# Altium PCB wikiduino-atmega328p.PcbDoc
Units mil, origin at the board's own origin, x right, y up, seen from the top; angles counter-clockwise.
Board outline 2700 x 2100 mil, 2 copper layers (Top Layer, Bottom Layer); 58 components, 50 nets, 230 pads, 295 vias.
Unrouted connection lines stored in the file: 224.
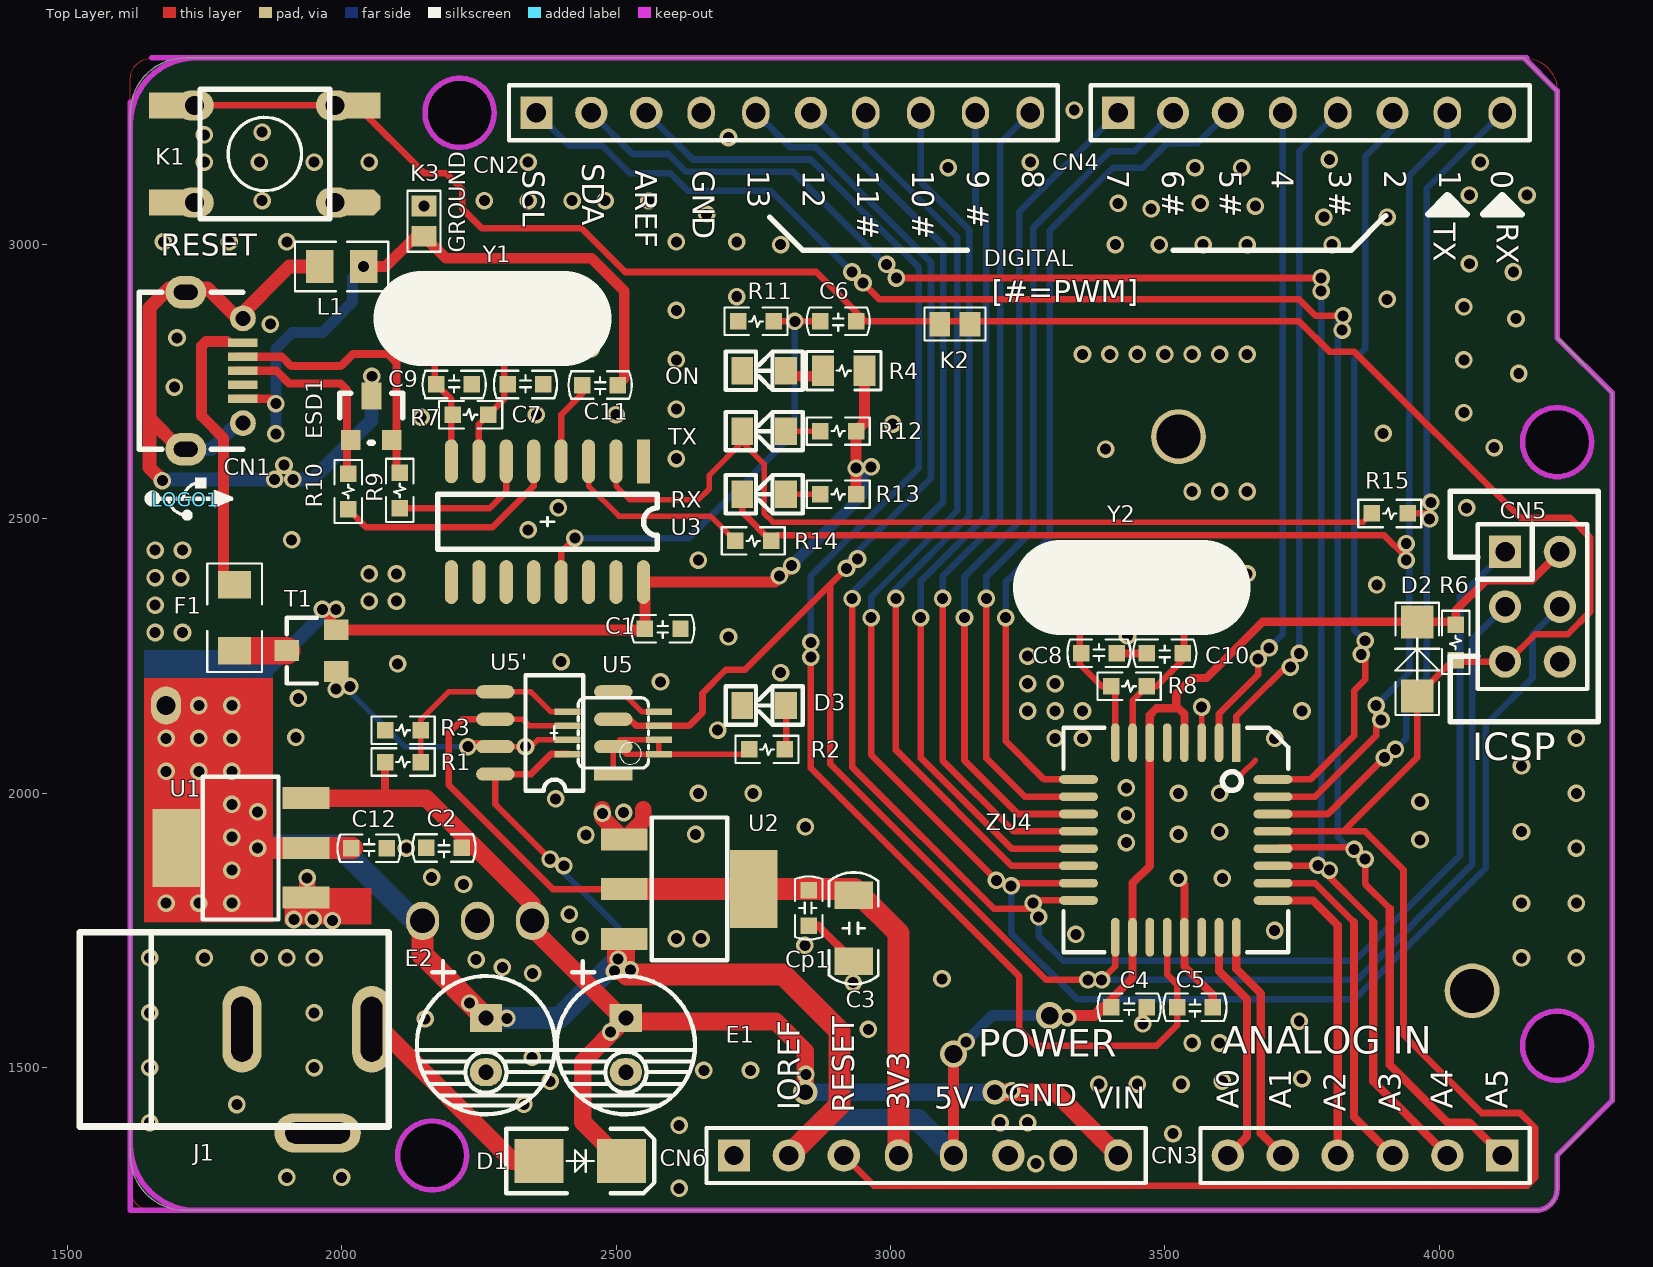
[diagram p0: Top Layer view]
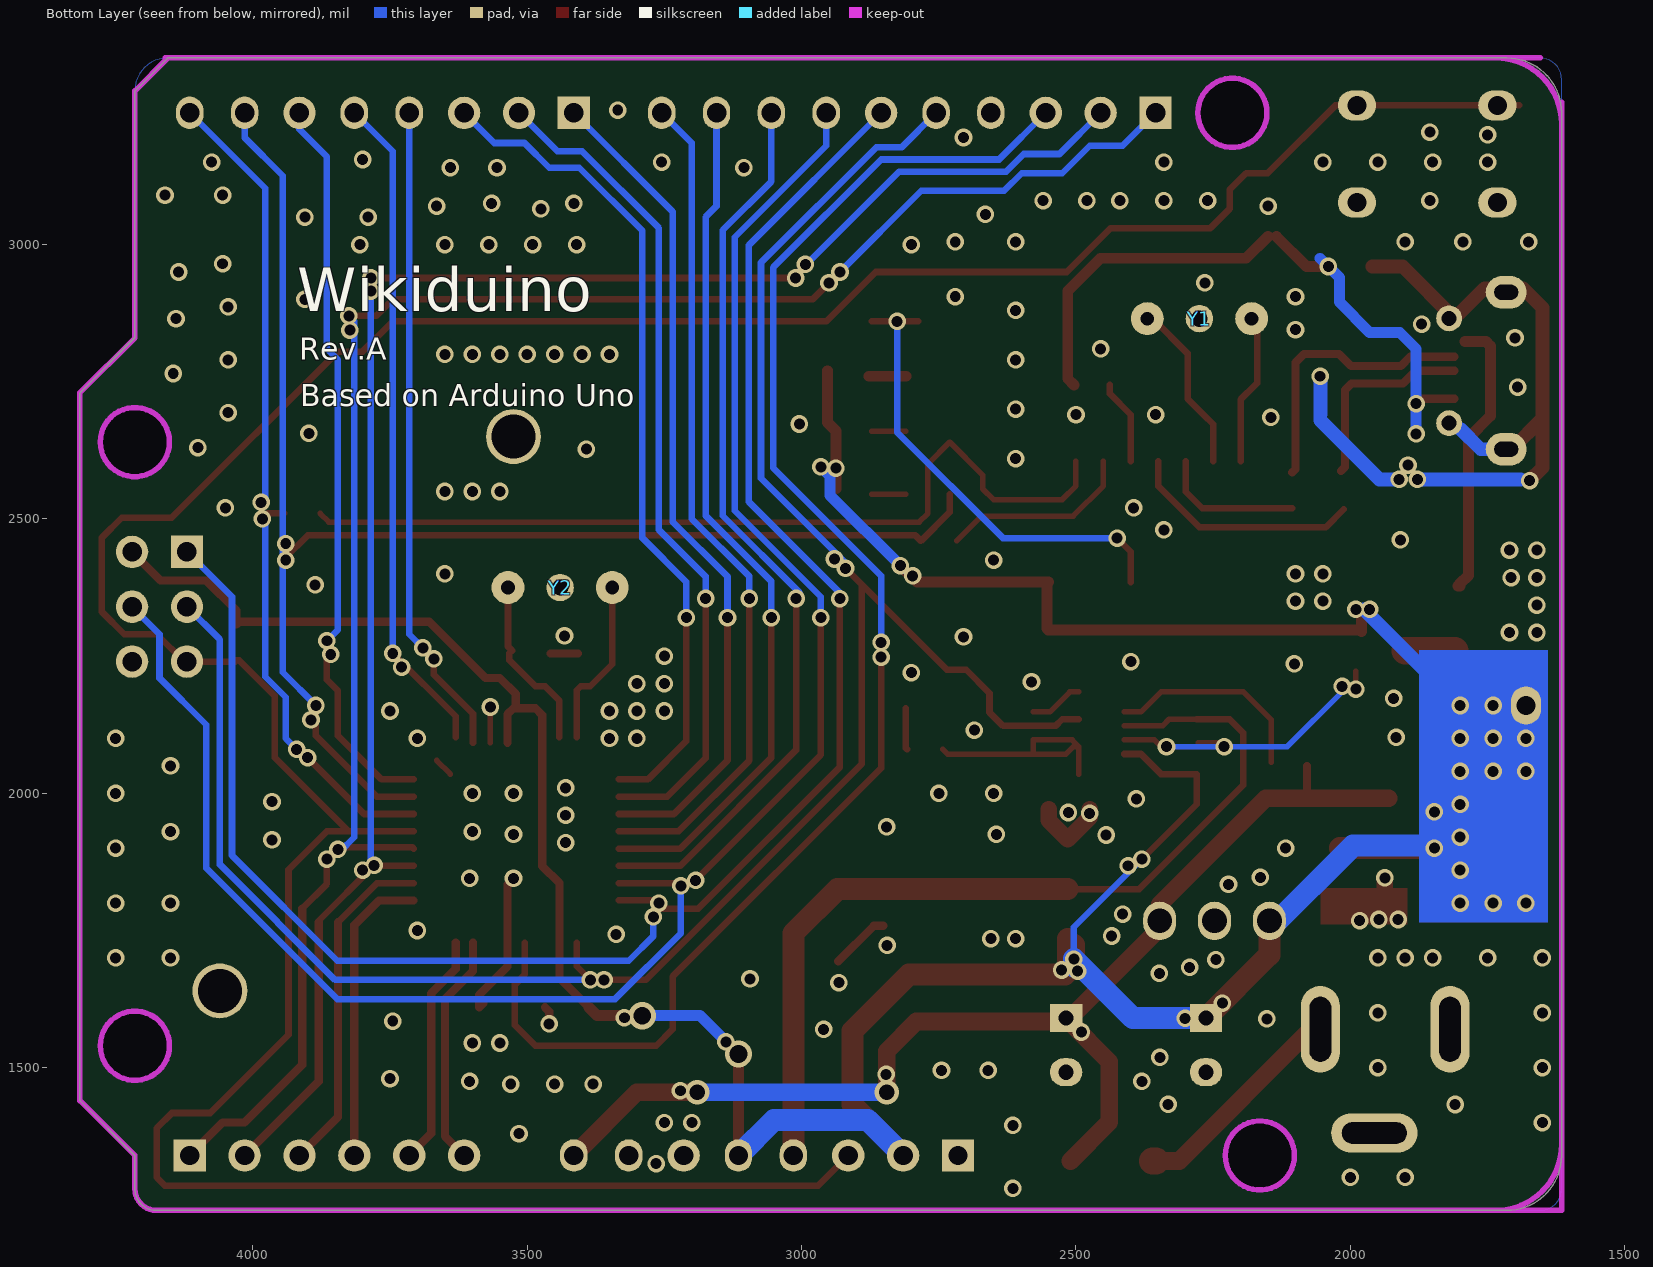
[diagram p1: Bottom Layer view, seen from below]

## Layer stack, top to bottom
Top Solder: solder mask 0.4, Solder Resist, Dk 3.5
Top Layer: signal copper 1.4
Dielectric1: dielectric 12.6, FR-4, Dk 4.8
Bottom Layer: signal copper 1.4
Bottom Solder: solder mask 0.4, Solder Resist, Dk 3.5

## Board outline
1615,3220 1615,3240 cw(c1715,3240) 1715,3340 1721,3340 4155,3340 4215,3280 4215,2830 4315,2730 4315,1440 4215,1340 4215,1279.37 cw(c4175.63,1279.37) 4175.63,1240 4171,1240 1715,1240 cw(c1715,1340) 1615,1340 1615,1399 1615,3220
cut-out: 2277.99,3237.99 cw(c2215,3237.99) 2215,3175 cw(c2215,3240) 2150,3240 2150,3245 cw(c2210,3245) 2210,3305 2215,3305 cw(c2215,3242.01) 2277.99,3242.01
cut-out: 4277.99,2637.99 cw(c4215,2637.99) 4215,2575 cw(c4215,2640) 4150,2640 4150,2645 cw(c4210,2645) 4210,2705 4215,2705 cw(c4215,2642.01) 4277.99,2642.01
cut-out: 4277.99,1537.99 cw(c4215,1537.99) 4215,1475 cw(c4215,1540) 4150,1540 4150,1545 cw(c4210,1545) 4210,1605 4215,1605 cw(c4215,1542.01) 4277.99,1542.01
cut-out: 2227.99,1337.99 cw(c2165,1337.99) 2165,1275 cw(c2165,1340) 2100,1340 2100,1345 cw(c2160,1345) 2160,1405 2165,1405 cw(c2165,1342.01) 2227.99,1342.01

## Design rules (kind name [scope] priority, off if disabled: settings)
Clearance [INPOLY] p1: gap=15
Clearance Clearance_3 [INPOLY vs ISpad] p2: gap=14
Clearance Clearance_2 [inpoly vs isvia] p3: gap=12
Clearance Clearance_1 [All] p4: gap=10
PolygonConnect [isvia] p1: connectstyle=Direct reliefconductorwidth=10 reliefentries=4 polygonreliefangle="90 Angle" airgapwidth=10
PolygonConnect PolygonConnect_2 [InNet('GND')] p2: connectstyle=Relief reliefconductorwidth=10 reliefentries=4 polygonreliefangle="90 Angle" airgapwidth=10
PolygonConnect PolygonConnect_1 [All] p3: connectstyle=Direct reliefconductorwidth=10 reliefentries=4 polygonreliefangle="90 Angle" airgapwidth=10
RoomDefinition wikiduino-atmega328p [InComponentClass('wikiduino-atmega328p')] p1: confinementstyle=ConfineIn formatcopy=TRUE lockcomponents=FALSE outline 1490,1230 4315,1230 4315,3345 1490,3345
RoutingVias [All] p1: holewidth=28 width=32 viastyle="Through Hole" minholewidth=20 minwidth=28 maxholewidth=50 maxwidth=70
SolderMaskExpansion [All] p1: expansion=4
Width [All] p1: maxlimit=100 minlimit=10 preferedwidth=10
29 further rules are at their usual default settings.

## Components (designator, comment, footprint, x,y, rotation, side; value= is the part's Value field where it differs from the comment)
C1 "C1608X7R1H104KT000N（0603 0.1μF）" 0603C 2585,2300 r0 top
C2 "C1608X7R1H104KT000N（0603 0.1μF）" 0603C 2186.5,1900.37 r0 top
C3 "10μF" 1206C 2933,1754 r90 top
C4 "0.1μF" 0603C 3435,1610 r180 top
C5 "0.1μF" 0603C 3555,1610 r0 top
C6 "0.1μF" 0603C 2905,2860 r0 top
C7 "CC0603JRNP09BN270" 0603C 2335,2745 r180 top
C8 "CC0603JRNP09BN270" 0603C 3380,2255 r180 top
C9 "CC0603JRNP09BN270" 0603C 2205,2745 r180 top
C10 "CC0603JRNP09BN270" 0603C 3500,2255 r0 top
C11 "0.01μF" 0603C 2471,2744 r0 top
C12 "0.1μF" 0603C 2050,1900 r180 top
CN1 "USB-Micro" USB_MICRO_5S_B 1820,2770 r90 top
CN2 "IOH" HDR1X10Z 2355,3240 r0 top (schematic designator IOH)
CN3 "ANALOG IN" HDR1X6Z 4115,1340 r180 top (schematic designator "ANALOG IN")
CN4 "IOL" HDR1X8Z 3415,3240 r0 top locked (schematic designator IOL)
CN5 "ICSP" HDR2X3 4120,2440 r270 top (schematic designator ICSP)
CN6 "POWER" HDR1X8Z 2715,1340 r0 top (schematic designator POWER)
Cp1 "C1608X7R1H104KT000N（0603 0.1μF）" 0603C 2851,1791 r270 top
D1 "M7" M7 2435,1330 r0 top
D2 "LL4148" D1206 3960,2245 r90 top
D3 "BL-HRB35A-TRB (0805 黄色)" LED0805-Y 2770,2160 r180 top
E1 "50YXF47M（6.3×11×2.5）" "RB 6.3×11×2.5" 2518,1541 r270 top
E2 "25YXF47M（5×11×2.0）" "RB 6.3×11×2.5" 2263,1541 r270 top
ESD1 "PESD5V0L2BT" SOT-23 2054,2684 r0 top
F1 "MF-MSMF050-2 500mA" L1206 1805,2320 r90 top
J1 "DC WD-DCPJ-S3RYB2-N-055" DC_IN 1818.41,1570 r90 top (schematic designator X1)
K1 "SW-PB" 按钮/SO 1860,3165 r0 top locked (schematic designator RESET)
K2 "RESET-EN" 0101 3090,2855 r0 top (schematic designator RESET-EN)
K3 "GROUND" 0101 2150,3015 r90 top (schematic designator GROUND)
L1 "PBY201209T-601Y-N 0805" L0805 2000,2960 r0 top
LOGO1 "LOGO" USB_LOGO 1715,2535 r270 top
ON "BL-HGE35A-TRB（0805 绿色）" LED0805-R 2770,2770 r180 top
R1 "RC0603FR-0712KL" 0603R 2112,2057 r0 top
R2 "RC0603JR-073K6L" 0603R 2775,2080 r0 top
R3 "RC0603FR-0712KL" 0603R 2112,2115 r180 top
R4 "RC0805JR-072K2L" 0805/R 2915,2770 r0 top
R6 "RC0603FR-0712KL" 0603R 4030,2275 r270 top
R7 "1MΩ" 0603R 2235,2690 r180 top
R8 "1MΩ" 0603R 3435,2195 r0 top
R9 "RC0603JR-0730RL" 0603R 2106,2552 r90 top
R10 "RC0603JR-0730RL" 0603R 2012,2550 r90 top
R11 "RC0603FR-0712KL" 0603R 2755,2860 r180 top
R12 "RC0603JR-073K6L" 0603R 2905,2660 r180 top
R13 "RC0603JR-073K6L" 0603R 2905,2545 r180 top
R14 "RC0603JR-07910RL" 0603R 2750,2460 r180 top
R15 "RC0603JR-07910RL" 0603R 3910,2510 r180 top
RX "BL-HRB35A-TRB (0805 黄色)" LED0805-Y 2770,2545 r180 top
T1 "IRLML6402TRPBF" MOSFET 1945,2260 r90 top
TX "BL-HRB35A-TRB (0805 黄色)" LED0805-Y 2770,2660 r180 top
U1 "LM1117-5.0" SOT223 1935,1810 r90 top
U2 "LM1117MPX-3.3" SOT223 2515,1916 r270 top
U3 "CH340G SOP16" SO-16 2375,2495 r270 top
U5 "LMV358IDGKR-MSOP8-0.65" MSOP8-0.65 2495,2110 r180 top
U5' "LMV358IDGKR-MSOP8-0.65" so-8 2495,2035 r180 top
Y1 "12MHz-49S" XTAL-49S 2275,2865 r180 top
Y2 "16MHz-49S" XTAL-49S 3440,2375 r0 top
ZU4 "ATMEGA328P_32LQFP" LQFP32 3520,1915 r270 top

## Footprints (in the part's own frame and the unit in brackets; to place one, negate y for a bottom-side part, rotate by r counter-clockwise, add the part's x,y. Pads: shape width x height; smd on the part's side, far side on the other; paste and mask are expansions set on the pad)
0101 [mil]
  rect 38x45 smd: 1(0,0) 2(55,0)
  silkscreen extent -28,-30 83,30
0603C [mil]
  rect 30x30 smd: 1(-32.5,0) 2(32.5,0)
  silkscreen extent -58,-25 58,25, body extent -29,-15 33,16, height 18
0603R [mil] "FT封?"
  rect 30x30 smd: 1(-32.5,0) 2(32.5,0)
  silkscreen extent -58,-25 58,25, body extent -31,-14 32,17, height 18
0805/R [mil]
  rect 40x55 smd: 1(-38,0) 2(38,0)
  silkscreen extent -68,-35 68,35, body extent -39,-25 40,25, height 22
1206C [mil]
  rect 50x70 smd: 1(-60,0) 2(60,0)
  silkscreen extent -102,-45 102,45, body extent -64,-31 62,32, height 22
D1206 [mil]
  rect 60x60 smd: A(-67.5,0) K(67.5,0)
  silkscreen extent -102,-40 102,40, body extent -66,-30 71,29, height 59
DC_IN [mm] "电?"
  oval 4x1.8 hole 1 slot 3 at 0 deg: 1(0,0) 3(0,-6)
  oval 1.8x4 hole 1 slot 3 at 90 deg: 2(-4.8,-3.5)
  silkscreen extent -4.5,-6.8 4.5,7.5, body extent -4.78,-6.26 4.73,7.56, height 11.25
HDR1X6Z [mm] "Connector; Header; 5 Position"
  rect 1.5x1.5 hole 0.9: 1(0,0)
  round 1.5 hole 0.9: 2(2.54,0) 3(5.08,0) 4(7.62,0) 5(10.16,0) 6(12.7,0)
  silkscreen extent -1.27,-1.27 13.97,1.27, body extent -1.27,-1.25 13.97,1.25, height 8.65
HDR1X8Z [mm] "Connector; Header; 8 Position"
  rect 1.5x1.5 hole 0.9: 1(0,0)
  round 1.5 hole 0.9: 2(2.54,0) 3(5.08,0) 6(12.7,0)
  oval 1.27x1.5 hole 0.9: 4(7.62,0) 5(10.16,0) 7(15.24,0) 8(17.78,0)
  silkscreen extent -1.27,-1.27 19.05,1.27, body extent -1.27,-1.25 19.05,1.25, height 8.65
HDR1X10Z [mm] "Connector; Header; 10 Position"
  rect 1.5x1.5 hole 0.9: 1(0,0)
  round 1.5 hole 0.9: 2(2.54,0) 3(5.08,0) 6(12.7,0)
  oval 1.27x1.5 hole 0.9: 4(7.62,0) 5(10.16,0) 7(15.24,0) 8(17.78,0) 9(20.32,0) 10(22.86,0)
  silkscreen extent -1.27,-1.27 24.13,1.27, body extent -1.27,-1.25 24.13,1.25, height 8.65
HDR2X3 [mm] "Connector; Header; 3x2 Position"
  rect 1.5x1.5 hole 0.9: 1(0,0)
  round 1.5 hole 0.9: 2(0,2.54) 3(2.54,0) 4(2.54,2.54) 5(5.08,0) 6(5.08,2.54)
  silkscreen extent -1.27,-1.27 6.35,3.81, body extent -1.28,-1.27 6.34,3.81, height 8.7
L0805 [mil]
  rect 50x60 smd: 1(-40,0) 2(40,0)
  silkscreen extent -85,-45 85,45, body extent -39,-23 39,24, height 37
L1206 [mil]
  rect 50x60 smd: 1(-60,0) 2(60,0)
  silkscreen extent -99,-50 99,50, body extent -61,-32 65,31, height 43
LED0805-R [mil] "蓝?"
  rect 40x50 smd: A(-40,0) K(40,0)
  silkscreen extent -70,-35 70,35, body extent -41,-27 41,27, height 35
LED0805-Y [mil]
  rect 40x50 smd: A(-40,0) K(40,0)
  silkscreen extent -70,-35 70,35, body extent -40,-25 40,25, height 43
LQFP32 [mm] "RS_R5F212G4"
  rect 1.8x0.4 smd: 1(-4.5,2.8)
  oval 1.8x0.4 smd: 2(-4.5,2) 3(-4.5,1.2) 4(-4.5,0.4) 5(-4.5,-0.4) 6(-4.5,-1.2) 7(-4.5,-2) 8(-4.5,-2.8) 17(4.5,-2.8) 18(4.5,-2) 19(4.5,-1.2) 20(4.5,-0.4) 21(4.5,0.4) 22(4.5,1.2) 23(4.5,2) 24(4.5,2.8)
  oval 0.4x1.8 smd: 9(-2.8,-4.502) 10(-2,-4.502) 11(-1.2,-4.502) 12(-0.4,-4.502) 13(0.4,-4.502) 14(1.2,-4.502) 15(2,-4.502) 16(2.8,-4.502) 25(2.8,4.498) 26(2,4.498) 27(1.2,4.498) 28(0.4,4.498) 29(-0.4,4.498) 30(-1.2,4.498) 31(-2,4.498) 32(-2.8,4.498)
  silkscreen extent -5.2,-5.2 5.2,5.2, body extent -4.5,-4.5 4.5,4.5, height 1.6
M7 [mil] "FT lib"
  rect 89.37x80 smd: A(-75,0) K(75,0)
  silkscreen extent -135,-59 135,59, body extent -88,-52 94,54, height 94
MOSFET [mil]
  rect 38x45 smd: 1(0,45) 2(38,-45) 3(-38,-45)
  silkscreen extent -60,-10 60,45, body extent -57,-53 57,57
MSOP8-0.65 [mm] "LMV358IDGKR 3x3mm body, 0.65mm"
  rect 1.2x0.3 smd: 1(-2.113,0.976) 2(-2.113,0.326) 3(-2.113,-0.324) 4(-2.113,-0.974) 5(2.112,-0.974) 6(2.112,-0.324) 7(2.112,0.326) 8(2.112,0.976)
  silkscreen extent -1.63,-1.62 1.62,1.63, body extent -2.45,-1.5 2.45,1.5, height 1.15
"RB 6.3×11×2.5" [mm] "Mol"
  rect 1.3x1.5 hole 0.7: 1(-1.25,0)
  oval 1.3x1.5 hole 0.7: 2(1.25,0)
  silkscreen extent -3.89,-3.2 3.2,3.2, body extent -3.18,-3.18 3.18,3.18, height 11.53
so-8 [mil] "485\eeprom"
  rect 70x24 smd: 1(0,0)
  oval 70x24 smd: 2(0,-50) 3(0,-100) 4(0,-150) 5(215,-150) 6(215,-100) 7(215,-50) 8(215,0)
  silkscreen extent 55,-180 160,30, body extent -8,-171 228,21, height 67
SO-16 [mil]
  rect 80x24 smd: 1(-110,175)
  oval 80x24 smd: 2(-110,125) 3(-110,75) 4(-110,25) 5(-110,-25) 6(-110,-75) 7(-110,-125) 8(-110,-175) 9(110,-175) 10(110,-125) 11(110,-75) 12(110,-25) 13(110,25) 14(110,75) 15(110,125) 16(110,175)
  silkscreen extent -50,-200 50,200, body extent -149,-197 151,197, height 66
SOT223 [mil]
  rect 141.73x86.61 smd: 0(90.55,236.22)
  rect 40x85 smd: 1(0,0) 2(90.55,0) 3(181.1,0)
  silkscreen extent -40,50 220,188, body extent -38,-17 218,257
SOT-23 [mil]
  rect 36x36 smd: 1(-37.5,-40) 2(37.5,-40)
  rect 36x50 smd: 3(0.5,40)
  silkscreen extent -58,-45 58,45, body extent -57,-52 57,58
USB_LOGO [mil]
  silkscreen extent -41,-67 33,84
USB_MICRO_5S_B [mil] "USB Micro SMT 5S B"
  oval 59.06x74.8 hole 27.56 slot 43.31 at 90 deg: 0(-143,104) 0(143,104)
  round 47.24 hole 27.5: 0(-95.5,0) 0(95.5,0)
  rect 15x54 smd: 1(51,0) 2(25.5,0) 3(0,0) 4(-25.5,0) 5(-51,0)
  silkscreen extent -143,0 143,189, body extent -161,-9 161,204, height 105
XTAL-49S [mil] "3p"
  round 35 hole 25: 1(-95,0) 2(95,0)
  round 60 smd far side: 1(-95,0) 2(95,0)
  round 50 hole 30: 3(0,0)
  silkscreen extent -130,-87 130,87, body extent -211,-89 214,88, height 158
按钮/SO [mm]
  rect 2.2x1.2 smd: 1(-4.25,2.25) 1(4.25,2.25) 2(-4.25,-2.25)
  oct 2.2x1.2 smd: 2(4.25,-2.25)
  silkscreen extent -3,-3 3,3, body extent -4.97,-3.03 5.03,2.97, height 4.44

## Part data
C1 C2 C4 C5 C6 C7 C8 C9 C10 C11 C12 Cp1: library part Cap, "Capacitor"
C3: library part CAP, "Capacitor"
CN2: library part "Header 10", "Header, 10-Pin"
CN3: library part "Header 6", "Header, 6-Pin"
CN4 CN6: library part "Header 8", "Header, 8-Pin"
CN5: library part "Header 3X2", "Header, 3-Pin, Dual row"
D1: "D"
D2: library part M7, "D"
D3 ON RX TX: library part LED
E1 E2: library part E
ESD1: library part ESD1
F1 L1: library part L, "BLM21"
J1: library part DC_IN, "POWERSUPPLY_DC21MMX"
K1: "Switch"
K2 K3: library part SW-SPST, "Single-Pole, Single-Throw Switch"
R1 R2 R3 R4 R6 R7 R8 R9 R10 R11 R12 R13 R14 R15: library part R, "Resistor"
T1: library part PMOSSOT23
U1 U2: library part LM1117
U3: library part CH340G
U5 U5': library part LMV358MMX
Y1 Y2: library part XTAL1, "3pXTAL"
ZU4: "Arduino ATMEGA328P"

## Free pads (board coordinates)
  oval 55x70 hole 35: 0(1680,2160)
  oval 70x55 hole 35: 0(1732.05,3253.58) 1(1987.95,3253.58) 2(1987.95,3076.42) 3(1732.05,3076.42)
  oval 60x70 hole 45: 0(2347.5,1767.5) 1(2247.5,1767.5) 2(2147.5,1767.5)
  round 100 hole 80: 0(3525,2650) 1(4060,1640)

## Via types
v1: diameter 32, hole 20, Top Layer to Bottom Layer, 291 vias
v2: diameter 50, hole 32, Top Layer to Bottom Layer, 2 vias
v3: diameter 45, hole 28, Top Layer to Bottom Layer, 2 vias

## Nets (pads, with @x,y where several pads share a name; then routed paths per layer and width w, separated by ;. In a path a pad name is that pad's centre, name@x,y a point inside that pad or via, vN(x,y) a via of type N, cw(c..) or ccw(c..) an arc to the next point about the centre after c; other vN are vias at no path point)
+3V3: C3.2 CN6.4 Cp1.1 U2.0 U2.2 U5'.6 U5.6 | length 1649.1
  Top Layer w10: U5'.6 2330,2135 2342.24,2122.76 U5.6
  Top Layer w12: U5'.6 2220,2135 2195,2110 2195,2015 2380,1830 2384.55,1825.45 U2.2@2500,1825.45
  Top Layer w40: U2.2 U2.0 2934.55,1825.45 3015,1745 CN6.4
+5V: C1.1 C4.2 C12.2 CN5.2 CN6.2 CN6.5 D2.K E2.1 pad.0@1680,2160 pad.2@2147.5,1767.5 R4.2 R6.1 R12.1 R13.1 T1.2 U1.0 U1.2 U2.3 U3.16 U5'.8 U5.8 ZU4.4 ZU4.6 ZU4.18 | length 6548.4
  Top Layer w12: v1(2380,1880) 2280,1980 U5'.8 2345,2035 2381.57,2071.57 U5.8 ; U2.3@2504,1723.9 2498,1729.9 U2.3@2510,1729.9
  Top Layer w15: C4.2@3387.5,1610 3441.34,1663.84 3441.34,1836.34 3472.76,1867.76 ZU4.6 3472.76,2142.76 3485,2155 3520.83,2155 ; ZU4.4 3535.75,2144.25 3525,2155 3520.83,2155 ; CN5.2 4168,2388 4085,2388 4030,2333 R6.1 4025,2312.5 D2.K 3678.33,2312.5 3575.83,2210 3550,2210 3520.83,2180.83 3520.83,2155
  Top Layer w20: T1.2@1980,2295 v1@1980,2332 ; T1.2 2550.5,2298 C1.1 2552.5,2382.5 U3.16 2790,2385 v1@2815,2410 ; R13.1@2937.5,2555 v1(2937.5,2592.5) R12.1 2953,2675.5 R4.2 ; CN6.5 v2(3115,1525) ; v2(3290,1595) 3372.5,1595 C4.2@3387.5,1610
  Top Layer w25: U2.3@2510,1729.9 U2.3
  Top Layer w40: U1.0 U1.2 C12.2@2019.05,1900.55 ; pad.2@2147.5,1752.5 2147.5,1705.71 E2.1 ; v1(2504,1698) U2.3@2504,1723.9 ; U2.3 2515,1675 2520,1670 2804,1670 2907.5,1566.5 2907.5,1432.5 CN6.2
  Bottom Layer w12: v1(2380,1880) 2504,1756 v1(2504,1698)
  Bottom Layer w20: 1833,2174 1833,2178 ; v1@2815,2410 v1(2820,2415) 2948,2543 2948,2578 v1(2965,2595) ; v2(3115,1525) 3185,1595 v2(3290,1595)
  Bottom Layer w25: 1865,2225 v1@1975,2335
  Bottom Layer w40: 1865,1905 1995,1905 pad.2@2147.5,1752.5 ; E2.1 2396.21,1590.21 v1(2504,1698) v1@2504,1684.21 ; CN6.2 2880,1405 3050,1405 CN6.5
  other v1: 3138,1547 2301,1590 3323,1591 2233.21,1617.79 2497,1676 2526,1678 1680,1800 1740,1800 1800,1800 1800,1860 2405,1868 1847,1900 1800,1920 1847,1966 1800,1980 1680,2040 1740,2040 1800,2040 1680,2100 1740,2100 1800,2100 1740,2160 1800,2160 1965,2335 1990,2335 2797.65,2396.41
AD0: CN3.6 ZU4.23 | length 423.7
  Top Layer w15: ZU4.23@3598.82,1728.01 3598.82,1676.18 3650,1625 3650,1375 CN3.6
AD1: CN3.5 ZU4.24 | length 423.1
  Top Layer w15: ZU4.24@3630.31,1728.01 3630.31,1680.04 3675,1635.36 3675,1380 CN3.5
AD2: CN3.4 ZU4.25 | length 546.5
  Top Layer w15: ZU4.25@3707.09,1804.78 3770.22,1804.78 3815,1760 CN3.4
AD3: CN3.3 ZU4.26 | length 621.4
  Top Layer w12: ZU4.26@3707.09,1836.27 3707.59,1835.77 3774.23,1835.77 3845,1765
  Top Layer w15: 3845,1765 3845,1410 CN3.3
AD4/SDA: CN2.2 CN3.2 ZU4.27 | length 3231.2
  Top Layer w12: v1(2993,2964) 3011,2946 v1(3011,2939) v1(3785,2939) ; ZU4.27@3707.09,1867.77 v1@3780,1867.77 ; v1(3779,1868.77) v1@3780,1867.77 ; 3880,1765 3880,1767.77 v1@3780,1867.77
  Top Layer w15: 3880,1765 3880,1475 CN3.2
  Bottom Layer w12: CN2.2 2530,3165 2595,3165 2627,3133 2822,3133 v1@3010,2945 ; v1@3782.77,1867.77 3785,1870 v1(3785,2915)
  other v1: 3800,1860
AD5/SCL: CN2.1 CN3.1 ZU4.28 | length 3449.1
  Top Layer w12: v1(2950,2930) 2980,2900 3745,2900 3775,2870 v1(3825,2870) ; ZU4.28@3707.09,1899.27 3709.82,1902 3847,1902 v1@3867,1882 ; v1(3865,1880) 3865,1835 3910,1790
  Top Layer w15: 3910,1790 3910,1505 4015,1400 4055,1400 CN3.1
  Bottom Layer w12: CN2.1 2415,3180 2475,3180 2525,3130 2598.89,3130 2630.89,3098 2782,3098 v1(2930,2950) v1(2950,2930) ; v1(3825,2870) 3815,2860 3815,1920 v1@3840,1895
  other v1: 3845,1898 3823,2844
AREF: C5.1 CN2.3 ZU4.20 | length 2714.3
  Top Layer w12: v1(2855,2275) v1(2855,2248) 2855,2046 3235,1666 3235,1570 3265,1540 3485,1540 3522.5,1577.5 C5.1 3522.5,1651.83 3504.33,1670 ZU4.20@3504.33,1728.01
  Bottom Layer w12: CN2.3 2640,3155 2855,3155 3052,2958 3052,2593.11 2855,2396.11 v1(2855,2275)
CMP: R1.2 R3.1 U5'.5 U5.5 | length 380.9
  Top Layer w10: R1.2 R3.1 2144.5,2134.5 2195,2185 U5'.5 2345,2185 2381.65,2148.35 U5.5
DTR: C6.1 R11.1 U3.13 | length 856.3
  Top Layer w12: U3.13 2400,2440 v1(2425,2465) ; R11.1 v1(2826,2860) ; v1@2828,2860 C6.1
  Bottom Layer w12: v1(2425,2465) 2633,2465 2826,2658 v1(2826,2860)
GATE_CMD: T1.3 U5'.7 U5.7 | length 649.3
  Top Layer w10: v1@1990,2185 T1.3 ; v1@2222.83,2092.17 U5'.7@2276.85,2092.17 ; v1(2230,2085) U5'.7 v1(2335,2085) 2345,2085 2357.17,2097.17 U5.7
  Bottom Layer w10: v1(2015,2195) 2015,2185 2115,2085 v1(2230,2085) v1(2335,2085)
  other v1: 1990,2190
GND: C1.2 C2.1 C3.1 C4.1 C5.2 C7.1 C8.1 C9.1 C10.1 C12.1 CN2.4 CN5.6 CN6.6 CN6.7 Cp1.2 D3.K E1.2 E2.2 J1.1 J1.2 K1.2 K3.2 ON.K pad.0@3525,2650 pad.1@2247.5,1767.5 pad.1@4060,1640 pad.2@1987.95,3076.42 pad.3 R3.2 R11.2 U1.1 U2.1 U3.1 U5'.4 U5.4 Y1.3 Y2.3 ZU4.3 ZU4.5 ZU4.21 | length 840
  Top Layer w10: U5'.4 2511,2185 2547.65,2148.35 U5.4 ; ZU4.3 v1(3567.24,2157.24) ; 3640,2035 3665,2060
  Top Layer w15: Cp1.2 2868.5,1758.5 C3.1 ; C8.1@3407.5,2255 C10.1@3457.5,2255 ; v1(3460,1580) 3460,1602.5 C4.1 ; v1(3525,1845) 3535.75,1834.25 ZU4.21 ; ZU4.21@3535.83,1737.83 3535.83,1684.17 3587.5,1632.5 C5.2 C5.2@3580,1617.5
  Top Layer w30: U1.1 1937,1812 v1(1937,1846) ; v1@2475,1971 2475,1956 U2.1 2550,1951 2550,1971
  other v1: 2615,1280 1900,1300 2000,1300 3265,1325 3515,1380 2615,1395 1650,1400 3200,1400 3250,1400 1809.16,1432.98 2332,1433 3380,1470 3450,1470 3530,1470 2380,1475 3605,1475 3750,1480 2660,1495 2745,1495 1650,1500 1950,1500 2347,1519 3550,1545 3600,1545 2960,1570 3745,1585 2152,1589 1650,1600 1950,1600 2932,1655 3094,1662 2348,1672 2293,1683 2245,1697 1650,1700 1750,1700 1850,1700 1900,1700 1950,1700 4150,1700 4250,1700 2844,1723 2610,1735 2655,1735 2435,1740 3338,1743 3700,1750 1983,1768 1913,1770 1948,1770 2415,1780 4150,1800 4250,1800 2222,1834 3605,1845 2164,1847 2118,1900 4250,1900 3430,1910 3965,1915 2445,1924 2645,1925 3525,1925 3600,1930 4150,1930 2845,1939 3430,1960 2475,1963.5 2514,1965 3965,1985 2390,1990 2650,2000 2750,2000 3525,2000 3600,2000 4250,2000 3430,2010 4150,2050 3300,2100 3350,2100 3700,2100 4250,2100 1916.5,2102 2685,2115 3250,2150 3300,2150 3350,2150 3750,2150 1921,2173 3250,2200 3300,2200 2581,2203 2800,2220 2102,2236 2400,2240 3250,2250 2705,2285 3432,2287 1660,2293 1710,2293 1660,2343 2050,2350 2100,2350 3886.41,2380 1660,2393 1707,2393 2050,2400 2100,2400 3650,2400 2650,2425 1660,2443 1710,2443 1909,2462 2340,2480 2395,2520 4050,2520 3550,2550 3600,2550 3650,2550 2610,2610 3392,2627 4100,2630 3898,2656 3004,2673 2145,2685 2355,2690 2500,2690 4045,2693.75 2610,2700 1695,2740 4145,2765 2610,2790 4045,2790 3350,2800 3400,2800 3450,2800 3500,2800 3550,2800 3600,2800 3650,2800 2455,2810 1700,2830 2100,2845 1870,2855 4140,2865 2610,2880 4045,2886.25 3905,2900 2100,2905 2720,2905 2265,2930 4135,2950 4055,2965 2800,3000 3410,3000 3490,3000 3570,3000 3650,3000 3805,3000 1675,3005 1795,3005 1900,3005 2610,3005 2720,3005 3790,3050 3905,3050 2665,3055 3475,3065 2150,3070 3665,3070 3415,3075 3565,3075 1855,3080 2260,3080 2340,3080 2420,3080 2480,3080 2560,3080 4055,3090 4160,3090 3105,3140 3555,3140 3640,3140 1750,3150 1850,3150 1950,3150 2050,3150 2340,3150 3255,3150 4075,3150 3800,3155 2705,3195 1750,3200 1855,3205 3335,3245
IO0: CN4.8 R15.1 ZU4.30 | length 1516.6
  Top Layer w12: ZU4.30@3707.09,1962.26 3797.26,1962.26 3915,2080 v1(3920,2080) ; R15.1 3972.5,2510 v1(3982.5,2500)
  Bottom Layer w12: v1(3920,2080) 3940,2100 3940,2175 3977.5,2212.5 v1@3977.5,2500 ; v1@3977.5,2530 3977.5,3102.5 CN4.8
  other v1: 3900,2065 3985,2530
IO1: CN4.7 R14.1 RX.K ZU4.31 | length 2769.1
  Top Layer w12: RX.K 2730,2512.5 R14.1 2792.5,2470 3900,2470 v1@3940,2430 ; ZU4.31@3707.09,1993.75 3773.75,1993.75 3885,2105 v1(3885,2160) ; v1(3940,2455) v1(3940,2425) v1@3942.5,2427.5
  Bottom Layer w12: v1(3885,2160) 3945.5,2220.5 3945.5,2435.5 3945.5,3125.5 4015,3195 CN4.7 ; v1(3940,2425) v1(3940,2455) v1@3945.5,2460.5
  other v1: 3894,2134
IO2: CN4.6 ZU4.32 | length 1351.5
  Top Layer w12: ZU4.32@3707.09,2025.25 3765.25,2025.25 3845,2105 3845,2187 3865,2207 v1(3865,2278)
  Bottom Layer w12: v1(3865,2278) 3845,2298 3845,2790 3865,2810 3865,3160 3915,3210 CN4.6
  other v1: 3858,2253
IO3: CN4.5 ZU4.1 | length 1235.7
  Top Layer w12: ZU4.1@3630.31,2102.02 3630.31,2140.31 v1(3745,2255)
  Bottom Layer w12: v1(3745,2255) 3745,3170 CN4.5 CN4.5@3830,3225
  other v1: 3729,2230
IO4: CN4.4 ZU4.2 | length 1196
  Top Layer w12: ZU4.2 3598.82,2092.24 3598.82,2145 3670,2216.18 v1(3670,2245) v1(3690,2265)
  Bottom Layer w12: v1(3690,2265) 3715,2290 CN4.4
IO5: CN4.3 ZU4.9 | length 1529
  Top Layer w12: v1(3210,2320) 3210,2095.25 3280,2025.25 ZU4.9@3333.07,2025.25
  Bottom Layer w12: v1(3210,2320) 3210,2385 3290,2465 3290,3025 3405,3140 3460,3140 3505,3185 3560,3185 CN4.3
IO6: CN4.2 ZU4.10 | length 1530.4
  Top Layer w12: v1(3175,2355) 3175,2063.89 3245.13,1993.75 ZU4.10@3333.07,1993.75
  Bottom Layer w12: v1(3175,2355) 3175,2395 3260,2480 3260,3030 3400,3170 3445,3170 CN4.2
IO7: CN4.1 ZU4.11 | length 1534.5
  Top Layer w12: v1(3135,2320) 3135,2060 3232.74,1962.26 ZU4.11@3333.07,1962.26
  Bottom Layer w12: v1(3135,2320) 3135,2395 3235,2495 3235,3060 CN4.1
IO8: CN2.10 ZU4.12 | length 1537.9
  Top Layer w12: v1(3095,2355) 3095,2060 3224.24,1930.76 ZU4.12@3333.07,1930.76
  Bottom Layer w12: v1(3095,2355) 3095,2395 3200,2500 3200,3185 CN2.10
IO9: CN2.9 ZU4.13 | length 1579.7
  Top Layer w12: v1(3055,2320) 3055,2065 3220.73,1899.27 ZU4.13@3333.07,1899.27
  Bottom Layer w12: v1(3055,2320) 3055,2386.11 3175,2506.11 3175,3050 3155,3070 CN2.9
L13: R2.1 U5'.1 U5'.2 U5.1 U5.2 | length 420.4
  Top Layer w10: U5'.1 U5'.2 ; R2.1 2734.07,2071.57 U5.1 ; U5'.2 2504.76,2085 2518.19,2071.57 U5.1 ; U5'.2 2507.17,2097.17 U5.2 U5.1
M8RXD: R14.2 U3.3 | length 353.9
  Top Layer w10: U3.3 2450,2560 2505,2505 2672.5,2505 R14.2
M8TXD: R15.2 TX.K U3.2 | length 1610.8
  Top Layer w10: U3.2 2500,2560 2525,2535 2650,2535 2670,2555 2670,2580 2730,2640 2770,2600 2770,2510 2786,2494 3861.5,2494 R15.2
MISO: CN2.6 CN5.1 ZU4.16 | length 3363.4
  Top Layer w12: v1(2930.22,2354.78) 2930.22,2048 3188.22,1790 v1@3260,1790 ; v1@3255,1804.78 ZU4.16@3333.07,1804.78
  Bottom Layer w12: CN2.6 3096,2999 3096,2531 2930.22,2365.22 v1(2930.22,2354.78) ; v1(3270,1775) 3270,1740 3315,1695 3846.11,1695 4038,1886.89 4038,2358 CN5.1
  other v1: 3260,1800
MOSI: CN2.7 CN5.4 ZU4.15 | length 3405.8
  Top Layer w12: v1(2965,2320) 2965,2070 3198.73,1836.27 ZU4.15@3333.07,1836.27
  Bottom Layer w12: CN2.7 2955,3180 3121.66,3013.34 3121.66,2515 2965,2358.34 v1(2965,2320) ; v1@3220,1836.27 v1(3220,1831.27) 3220,1745 3340,1625 3846.11,1625 4085,1863.89 4085,2125 4170,2210 4170,2290 CN5.4
  other v1: 3193,1841.27
NetC7_2: C7.2 R7.1 U3.7 Y1.1 | length 305.6
  Top Layer w12: U3.7 2250,2672.5 R7.1 2296.5,2719 2296.5,2801.5 Y1.1@2360,2865
NetC8_2: C8.2 R8.1 Y2.1 ZU4.8 | length 305.1
  Top Layer w12: Y2.1@3345,2370 3345,2235 3385,2195 R8.1 3409.84,2187.66 ZU4.8@3409.84,2102.02
NetC9_2: C9.2 R7.2 U3.8 Y1.2 | length 272.4
  Top Layer w12: Y1.2@2170,2865 2170,2747.5 C9.2 2200,2717.5 U3.8
NetC10_2: C10.2 R8.2 Y2.2 ZU4.7 | length 314.1
  Top Layer w12: ZU4.7@3441.34,2102.02 3441.34,2168.84 R8.2 3485,2195 3532.5,2242.5 C10.2 ; C10.2@3527.5,2260 3535,2267.5 Y2.2@3535,2370
NetC11_1: C11.1 U3.4 | length 154.9
  Top Layer w12: U3.4 2400,2690 2438.5,2728.5 C11.1
NetCN1_1: CN1.1 F1.2 | length 514.6
  Top Layer w20: 1790.81,2823 1753,2823 1745,2815 1745,2687.81 1785,2647.81 1785,2397 F1.2@1800,2382 ; F1.2@1800,2378 F1.2@1800,2382 ; F1.2@1804,2378 F1.2@1800,2382
NetCN1_2: CN1.2 ESD1.2 R9.2 | length 515.6
  Top Layer w15: CN1.2@1810,2795.5 1891,2795.5 1908,2778.5 1998.5,2778.5 2020.5,2800.5 2084.5,2800.5 2100,2785 2100,2590.5 R9.2
NetCN1_3: CN1.3 ESD1.1 R10.2 | length 364.9
  Top Layer w15: CN1.3@1810,2770 1881.14,2770 1904.14,2747 1998,2747 2010,2735 2010,2594.5 R10.2@2017,2587.5
NetD3_A: D3.A R2.2 | length 76
  Top Layer w12: R2.2 2810,2082.5 D3.A@2810,2155
NetON_A: ON.A R4.1 | length 67
  Top Layer w20: ON.A@2810,2760 R4.1@2877,2760
NetR12_2: R12.2 TX.A | length 62.5
  Top Layer w10: TX.A R12.2
NetR13_2: R13.2 RX.A | length 62.5
  Top Layer w10: RX.A R13.2
PWRIN: D1.A J1.3 | length 383.2
  Top Layer w32: J1.3@2075,1567 2312,1330 D1.A@2355,1330
  Top Layer w50: D1.A@2355,1330 D1.A
RD+: R10.1 U3.5 | length 427.5
  Top Layer w12: R10.1 2044.5,2485 2275,2485 2350,2560 U3.5
RD-: R9.1 U3.6 | length 261.9
  Top Layer w12: R9.1 2270,2519.5 2300,2549.5 U3.6
RESET: C6.2 CN5.5 CN6.3 D2.A K1.1 K2.1 K2.2 pad.0@1732.05,3253.58 pad.1@1987.95,3253.58 R6.2 ZU4.29 | length 5990.8
  Top Layer w12: K1.1@1692.68,3253.58 2027.32,3253.58 2150.91,3130 2190,3130 2220,3100 2220,3065 2255,3030 2436.77,3030 2516.77,2950 2865,2950 2955,2860 3745,2860 3800,2805 3845,2805 4148,2502 4239,2502 4275,2466 4275,2330.61 4234.39,2290 4175,2290 4125,2240 CN5.5 R6.2@4032.5,2240 ; CN6.3 2970,1285 4160,1285 4175,1300 4175,1390 4147.5,1417.5 4077.5,1417.5 3935,1560 3935,1860.76 3865,1930.76 3825.76,1930.76 ; ZU4.29@3707.09,1930.76 3825.76,1930.76 ; R6.2 4025,2242.5 D2.A 3960,2065 3825.76,1930.76
SCK: CN2.5 CN5.3 U5'.3 U5.3 ZU4.17 | length 3941.8
  Top Layer w12: U5'.3 2525,2135 2537.24,2122.76 U5.3 2632.76,2122.76 2657.5,2147.5 2657.5,2182.5 2700,2225 2735,2225 2890,2380 ; v1(2920,2410) 2890,2380 ; ZU4.17@3409.84,1728.01 3409.84,1684.84 v1(3385,1660) v1(3360,1660) 3284,1660 2890,2054 2890,2380
  Bottom Layer w12: CN2.5 2818,3177 2864.11,3177 3074,2967.11 3074,2574 2920,2420 v1(2920,2410) ; v1(3385,1660) 3850,1660 4060,1870 4060,2280 CN5.3
  other v1: 2940,2427
SS: CN2.8 ZU4.14 | length 1655.1
  Top Layer w12: v1(3010,2355) 3010,2078.89 3221.12,1867.77 ZU4.14@3333.07,1867.77
  Bottom Layer w12: v1@3003.89,2366.11 3143.66,2505.89 3143.66,3026.34 3055,3115 CN2.8
UGND: C11.2 CN1.5 K3.1 L1.2 | length 1198.4
  Top Layer w15: CN1.5@1810,2719 1871,2719 v1(1880,2710)
  Top Layer w20: v1(2040,2960) 2080,2960 K3.1@2135,3015 ; K3.1 2190,2975 2455,2975 2515,2915 2515,2755.5 C11.2
  Bottom Layer w20: v1(1880,2655) v1(1880,2710) 1880,2810 1910,2840 1965,2840 2020,2895 2020,2940 v1(2040,2960) 2055,2975
USBVCC: F1.1 T1.1 | length 90
  Top Layer w50: F1.1@1810,2260 T1.1
USHIELD: CN1.0 ESD1.3 L1.1 | length 1345.4
  Top Layer w25: v1(1673.28,2569.83) 1650,2593.11 1650,2683 ; CN1.0@1706,2627 1650,2683 ; CN1.0@1800.53,2874.97 1755.27,2920.23 1685.45,2920.23 1650,2884.78 1650,2683 ; CN1.0@1810,2865.5 1904.5,2960 L1.1
  Bottom Layer w25: 1690,2572 v1(1878,2572) ; CN1.0@1706,2627 1762.5,2627 CN1.0@1800.03,2664.53 ; v1(1911,2572) 1947,2572 2055,2680 2055,2690 2054.5,2690.5 v1@2054.5,2762
  other v1: 1895,2598 2055,2760
VIN: C2.2 CN6.8 D1.K E1.1 pad.0@2347.5,1767.5 R1.1 U1.3 | length 2208.8
  Top Layer w15: 2079,1991.1 R1.1@2079,2050
  Top Layer w32: U1.3@1930,1991.1 U1.3 2014,1991.1 2153.9,1991.1 2347.5,1797.5 2347.5,1767.5 2347.5,1754.1 2511.39,1590.21 E1.1 E1.1@2512,1584.21 ; D1.K 2439,1401 2439,1511.21 E1.1@2512,1584.21 ; v3(2845,1455) 2845,1530 2790.79,1584.21 E1.1@2512,1584.21 ; v3(3190,1455) 3300,1455 CN6.8
  Bottom Layer w32: v3(2845,1455) v3(3190,1455)
  other v1: 3221,1458 2846,1488 2490,1565
pads on no net: CN1.4 CN6.1 U3.9 U3.10 U3.11 U3.12 U3.14 U3.15 ZU4.19 ZU4.22

## Polygon pours and split planes (outlines as drawn)
GND on Bottom Layer "Gnd" (solid, remove dead copper, shelved, pour order 16): 1654.37,1240 cw(c1654.37,1279.37) 1615,1279.37 1615,3300.63 cw(c1654.37,3300.63) 1654.37,3340 4155,3340 cw(c4155,3280) 4215,3280 4215,2830 4315,2730 4315,1440 4215,1340 4215,1279.37 cw(c4175.63,1279.37) 4175.63,1240 1660,1240
GND on Top Layer "Gnd" (solid, remove dead copper, shelved, pour order 12): 1654.37,1240 cw(c1654.37,1279.37) 1615,1279.37 1615,3300.63 cw(c1654.37,3300.63) 1654.37,3340 4155,3340 cw(c4155,3280) 4215,3280 4215,2830 4315,2730 4315,1440 4215,1340 4215,1279.37 cw(c4175.63,1279.37) 4175.63,1240 1660,1240

## Keep-outs
Keep-Out Layer:
  circle w10: c4215,1540 r62.99
  circle w10: c2215,3240 r62.99
  circle w10: c2165,1340 r62.99
  circle w10: c4215,2640 r62.99
  lines w10: 1615,1279.37 1615,3259.6 ; 1615,1296 1615,1240 1665,1240 ; 1615,1360 ccw(c1735,1360) 1735,1240 ; 1615,3220 cw(c1735,3220) 1735,3340 ; 1654.37,1240 4175.63,1240 ccw(c4175.63,1279.37) 4215,1279.37 4215,1340 4315,1440 4315,2730 4215,2830 4215,3280 4155,3340 1654.37,3340 4160,3340

## Other copper
Top Layer:
  rectangle net +5V: 1640,1765 1875,2210
  rectangle net GND: 1896,1761 2054,1827
Bottom Layer:
  rectangle net +5V: 1640,1765 1875,2261

## Silkscreen, mask and mechanical layers (free items; w line width, h text height)
Top Overlay:
  lines w10: 2780,3050 2840,2990 3140,2990 ; 3515,2990 3840,2990 3902.5,3052.5 ; 4050,2550 4290,2550 4290,2130 4020,2130 4020,2250 4070,2250 ; 4060,2550 4020,2550 4020,2430 4070,2430 ; 4070,2390 4170,2390 4170,2490
  lines w12: 3995,3060 4015,3080 4035,3060 4005,3060 4020,3070 ; 4095,3060 4115,3080 4135,3060 4105,3060 4120,3070 ; 3980,3055 4050,3055 4015,3090 3980,3055 ; 4080,3055 4150,3055 4115,3090 4080,3055
  text "SDA" at 2438.21,3148.27 h40 r270
  text "SCL" at 2330,3135 h40 r270
  text "AREF" at 2535,3135 h40 r270
  text "GND" at 2640,3135 h40 r270
  text "13" at 2740,3135 h40 r270
  text "12" at 2840,3135 h40 r270
  text "11" at 2940,3135 h40 r270
  text "10" at 3040,3135 h40 r270
  text "9" at 3140,3135 h40 r270
  text "8" at 3240,3135 h40 r270
  text "7" at 3395,3135 h40 r270
  text "6" at 3495,3135 h40 r270
  text "5" at 3600,3135 h40 r270
  text "4" at 3695,3135 h40 r270
  text "3" at 3800,3135 h40 r270
  text "2" at 3900,3135 h40 r270
  text "1" at 4000,3135 h40 r270
  text "0" at 4095,3135 h40 r270
  text "#" at 3495,3095 h40 r270
  text "#" at 3600,3095 h40 r270
  text "#" at 3800,3095 h40 r270
  text "#" at 3140,3075 h40 r270
  text "#" at 2940,3055 h40 r270
  text "#" at 3040,3055 h40 r270
  text "TX" at 3990,3040 h40 r270
  text "RX" at 4105,3040 h40 r270
  text "RESET" at 1670,2980 h40
  text "DIGITAL" at 3170,2960 h30
  text "[#=PWM]" at 3185,2895 h40
  text "ICSP" at 4060,2060 h50
  text "ANALOG IN" at 3605,1525 h50
  text "POWER" at 3160,1520 h50
  text "GND" at 3215,1430 h40
  text "5V" at 3080,1425 h40
  text "VIN" at 3370,1425 h40
  text "A0" at 3635,1425 h40 r90
  text "A1" at 3730,1425 h40 r90
  text "A4" at 4025,1425 h40 r90
  text "A5" at 4125,1425 h40 r90
  text "IOREF" at 2835,1422 h40 r90
  text "3V3" at 3034,1422 h40 r90
  text "A2" at 3830,1420 h40 r90
  text "A3" at 3930,1420 h40 r90
  text "RESET" at 2934,1418 h40 r90
Bottom Overlay:
  text "Wikiduino" at 3918.59,2878.09 h80
  text "Rev.A" at 3915,2790 h40
  text "Based on Arduino Uno" at 3914.02,2705.7 h40